# Altium PCB LightLink_V3.PcbDoc (part 3 of 4) (continued)
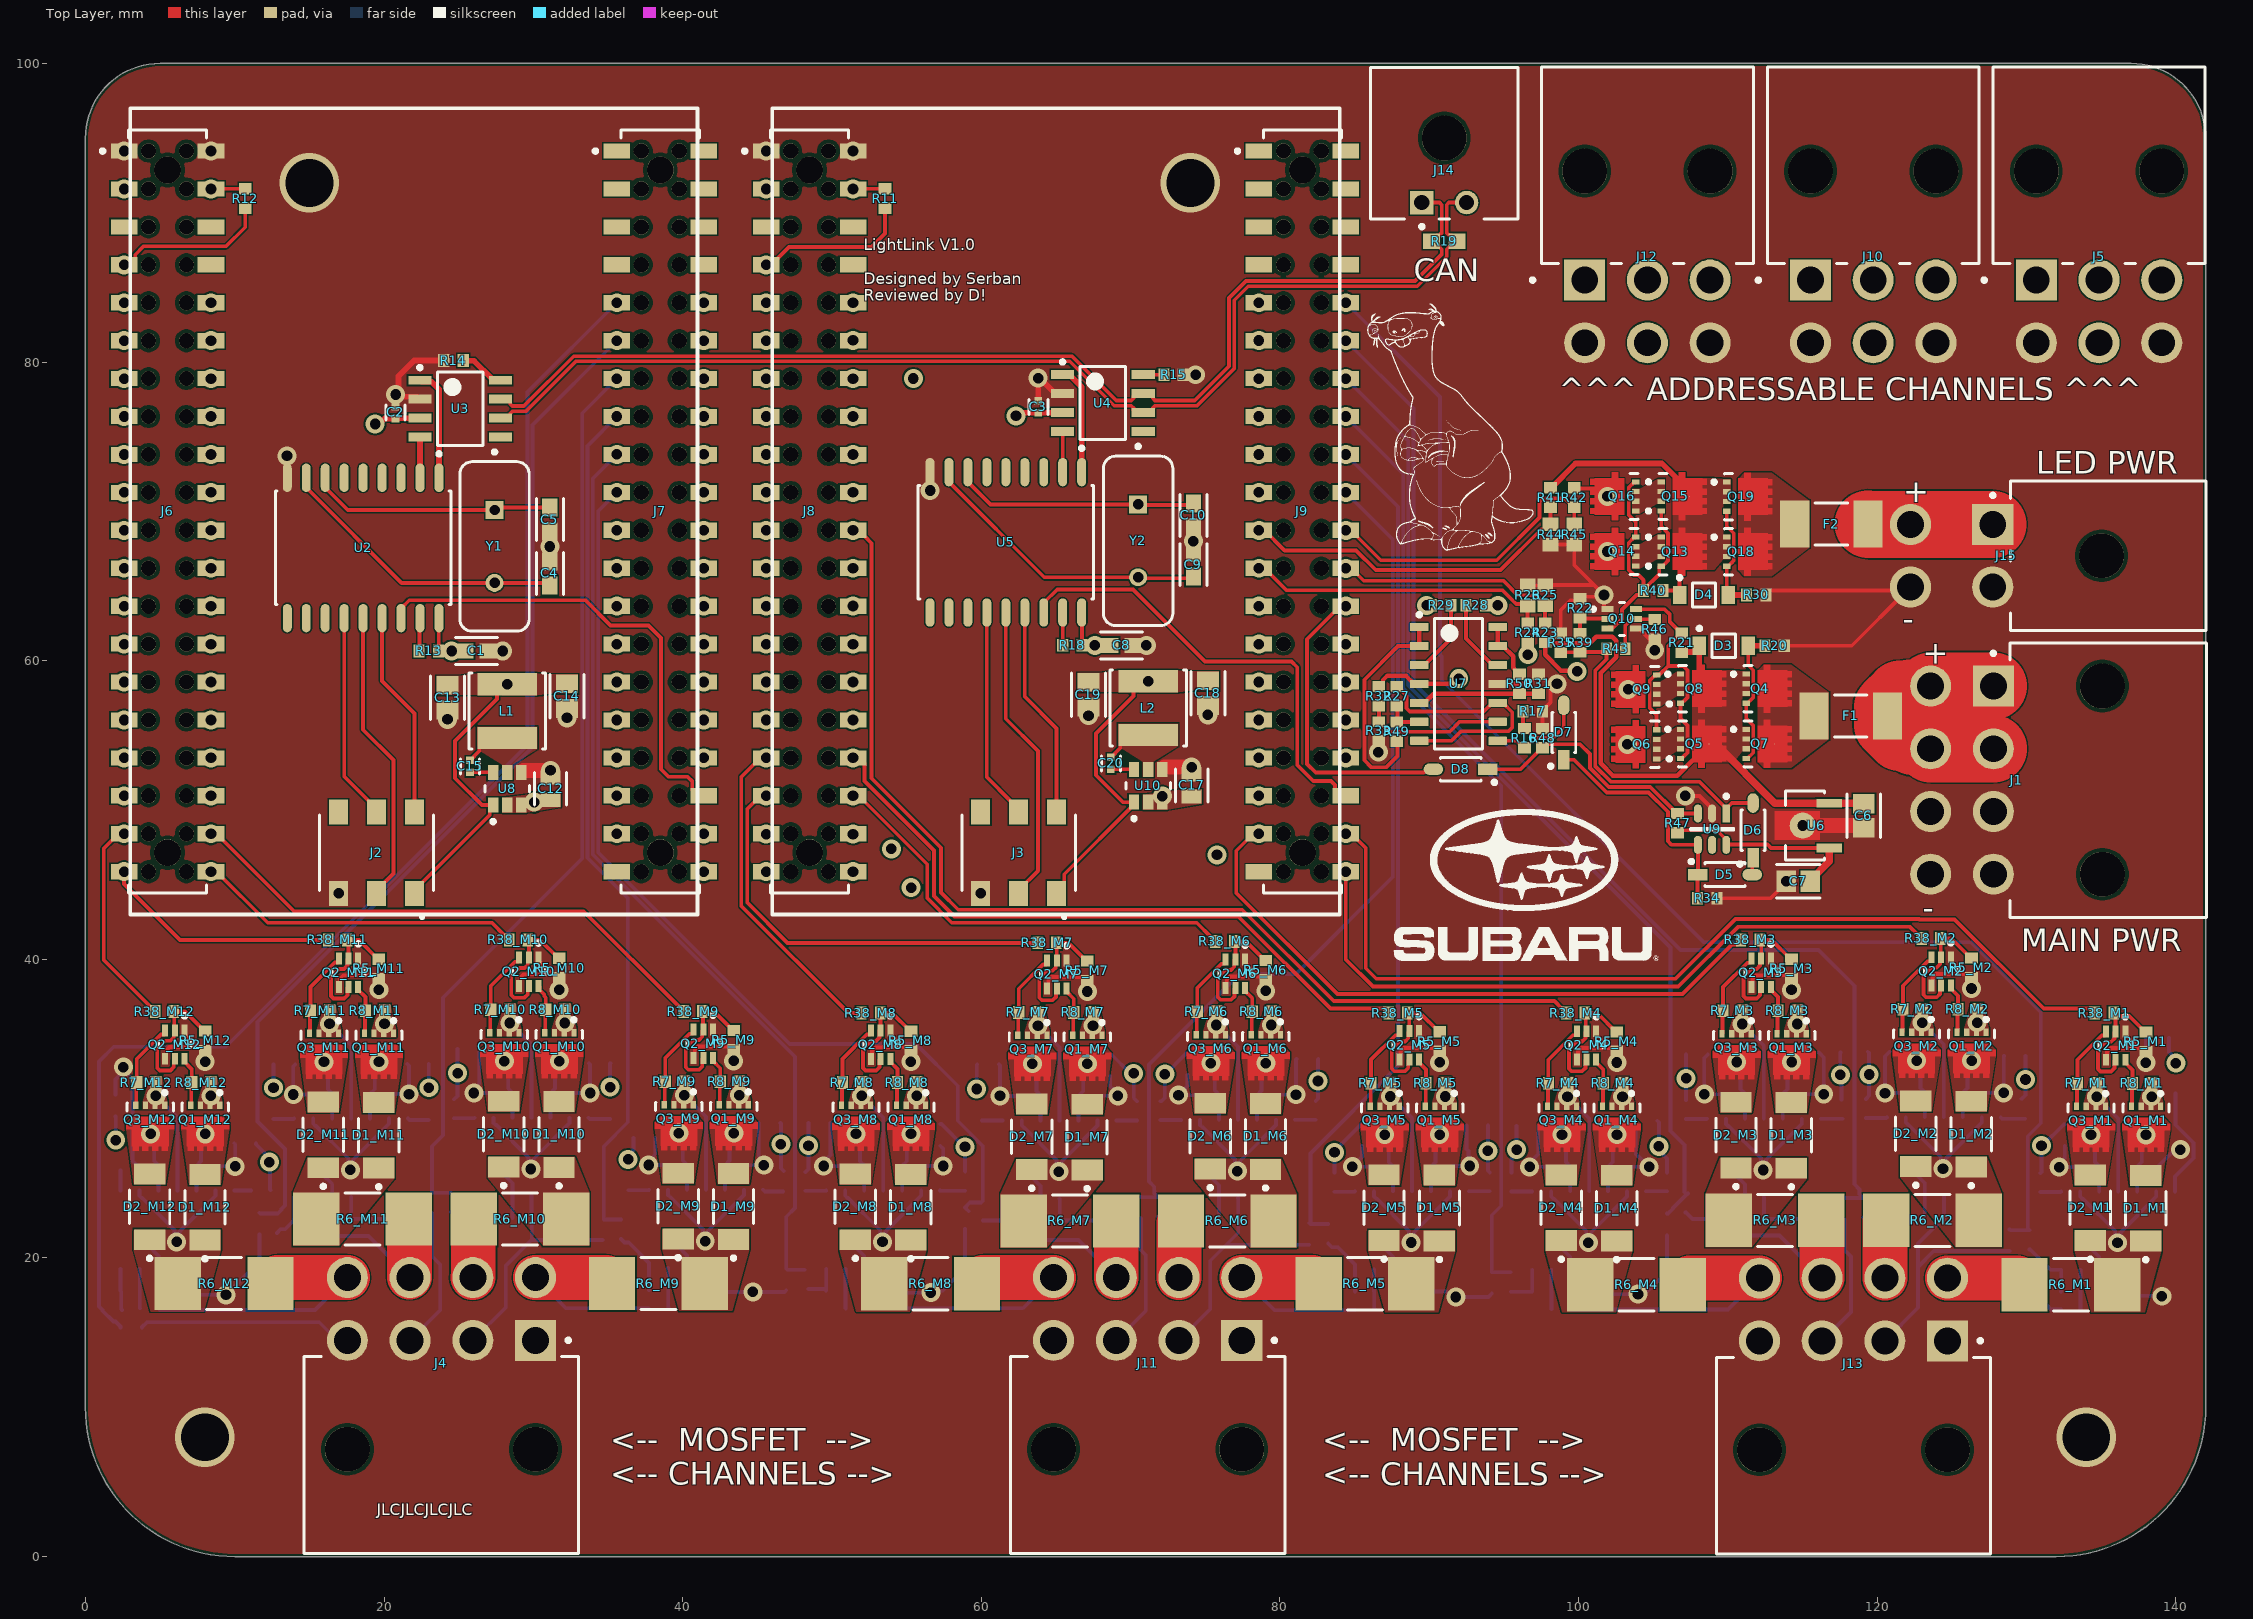
[diagram p0: Top Layer view]
## Nets (pads, with @x,y where several pads share a name; then routed paths per layer and width w, separated by ;. In a path a pad name is that pad's centre, name@x,y a point inside that pad or via, vN(x,y) a via of type N, cw(c..) or ccw(c..) an arc to the next point about the centre after c; other vN are vias at no path point) (continued)
NetQ2_M2_2: Q2_M2.2 Q2_M2.5 R5_M2.2 R38_M2.2 | length 8.9
  Top Layer w0.254: Q2_M2.5@124.278,38.237 124.209,38.168 124.209,37.68 123.986,37.456 123.27,37.456 123.099,37.627 123.099,38.897 123.643,39.441 123.982,39.441 124.205,39.664 124.205,40.064 124.252,40.111 124.252,41.373 R38_M2.2@124.225,41.4 124.956,41.4 126.012,40.344 126.012,40.339 126.26,40.091 R5_M2.2@126.31,40.091
NetQ2_M2_3: Q2_M2.3 Q3_M2.4 R7_M2.1 | length 6
  Top Layer w0.254: Q3_M2.4@121.659,35.119 121.691,35.151 121.691,36.615 R7_M2.1@121.723,36.647 121.723,38.232 123.355,39.864 123.555,39.864 123.628,39.937 Q2_M2.3@123.628,40.137
NetQ2_M3_2: Q2_M3.2 Q2_M3.5 R5_M3.2 R38_M3.2 | length 9
  Top Layer w0.254: Q2_M3.5@112.227,38.149 112.158,38.08 112.158,37.591 111.934,37.368 111.219,37.368 111.048,37.539 111.048,38.809 111.592,39.353 111.931,39.353 112.154,39.576 112.154,39.976 Q2_M3.2@112.227,40.049 112.227,41.198 R38_M3.2@112.125,41.3 112.227,41.3 112.911,41.3 114.209,40.003 R5_M3.2@114.259,40.003
NetQ2_M3_3: Q2_M3.3 Q3_M3.4 R7_M3.1 | length 6
  Top Layer w0.254: Q3_M3.4@109.608,35.031 109.64,35.063 109.64,36.527 R7_M3.1@109.672,36.559 109.672,38.144 111.304,39.776 111.504,39.776 111.577,39.849 Q2_M3.3@111.577,40.049
NetQ2_M4_2: Q2_M4.2 Q2_M4.5 R5_M4.2 R38_M4.2 | length 9
  Top Layer w0.254: Q2_M4.5@100.529,33.284 100.46,33.215 100.46,32.727 100.237,32.503 99.521,32.503 99.35,32.674 99.35,33.944 99.894,34.488 100.233,34.488 100.456,34.711 100.456,35.111 Q2_M4.2@100.529,35.184 100.477,35.237 100.477,36.348 R38_M4.2@100.425,36.4 101.25,36.4 102.511,35.138 R5_M4.2@102.561,35.138
NetQ2_M4_3: Q2_M4.3 Q3_M4.4 R7_M4.1 | length 6
  Top Layer w0.254: Q3_M4.4@97.91,30.166 97.942,30.198 97.942,31.662 R7_M4.1@97.974,31.694 97.974,33.279 99.606,34.911 99.806,34.911 99.879,34.984 Q2_M4.3@99.879,35.184
NetQ2_M5_2: Q2_M5.2 Q2_M5.5 R5_M5.2 R38_M5.2 | length 8.9
  Top Layer w0.254: R38_M5.2@88.525,36.4 89.386,36.4 90.643,35.144 R5_M5.2@90.693,35.144 ; Q2_M5.5@88.661,33.29 88.592,33.221 88.592,32.732 88.368,32.509 87.653,32.509 87.482,32.68 87.482,33.95 88.026,34.494 88.365,34.494 88.588,34.717 88.588,35.117 Q2_M5.2@88.661,35.19 R38_M5.2@88.661,36.364
NetQ2_M5_3: Q2_M5.3 Q3_M5.4 R7_M5.1 | length 6
  Top Layer w0.254: Q3_M5.4@86.042,30.172 86.074,30.204 86.074,31.668 R7_M5.1@86.106,31.7 86.106,33.285 87.738,34.917 87.938,34.917 88.011,34.99 Q2_M5.3@88.011,35.19
NetQ2_M6_2: Q2_M6.2 Q2_M6.5 R5_M6.2 R38_M6.2 | length 8.9
  Top Layer w0.254: Q2_M6.2@76.942,39.977 76.942,39.504 76.719,39.281 76.38,39.281 75.836,38.737 75.836,37.467 76.007,37.296 76.723,37.296 76.946,37.519 76.946,38.008 Q2_M6.5@77.015,38.077 ; Q2_M6.2@77.015,39.977 77.015,41.11 R38_M6.2@76.925,41.2 77.015,41.2 77.729,41.2 78.997,39.931 R5_M6.2@79.047,39.931
NetQ2_M6_3: Q2_M6.3 Q3_M6.4 R7_M6.1 | length 6
  Top Layer w0.254: Q3_M6.4@74.396,34.959 74.428,34.991 74.428,36.455 R7_M6.1@74.46,36.487 74.46,38.072 76.092,39.704 76.292,39.704 76.365,39.777 Q2_M6.3@76.365,39.977
NetQ2_M7_2: Q2_M7.2 Q2_M7.5 R5_M7.2 R38_M7.2 | length 8.9
  Top Layer w0.254: R38_M7.2@65.025,41.1 65.834,41.1 67.046,39.888 R5_M7.2@67.096,39.888 ; R38_M7.2@65.045,41.18 65.045,39.954 Q2_M7.2@65.064,39.934 64.991,39.861 64.991,39.461 64.768,39.238 64.429,39.238 63.885,38.694 63.885,37.424 64.056,37.253 64.772,37.253 64.995,37.477 64.995,37.965 Q2_M7.5@65.064,38.034
NetQ2_M7_3: Q2_M7.3 Q3_M7.4 R7_M7.1 | length 6
  Top Layer w0.254: Q3_M7.4@62.445,34.916 62.477,34.948 62.477,36.412 R7_M7.1@62.509,36.444 62.509,38.029 64.141,39.661 64.341,39.661 64.414,39.734 Q2_M7.3@64.414,39.934
NetQ2_M8_2: Q2_M8.2 Q2_M8.5 R5_M8.2 R38_M8.2 | length 8.8
  Top Layer w0.254: Q2_M8.2@53.18,35.235 53.18,34.762 52.957,34.539 52.618,34.539 52.074,33.995 52.074,32.725 52.245,32.554 52.961,32.554 53.184,32.778 53.184,33.266 Q2_M8.5@53.253,33.335 ; Q2_M8.2@53.253,35.235 53.253,36.372 R38_M8.2@53.225,36.4 54.024,36.4 55.235,35.189 R5_M8.2@55.285,35.189
NetQ2_M8_3: Q2_M8.3 Q3_M8.4 R7_M8.1 | length 6
  Top Layer w0.254: Q3_M8.4@50.634,30.217 50.666,30.249 50.666,31.713 R7_M8.1@50.698,31.745 50.698,33.33 52.33,34.962 52.53,34.962 52.603,35.035 Q2_M8.3@52.603,35.235
NetQ2_M9_2: Q2_M9.2 Q2_M9.5 R5_M9.2 R38_M9.2 | length 8.9
  Top Layer w0.254: Q2_M9.5@41.383,33.388 41.314,33.319 41.314,32.83 41.091,32.607 40.376,32.607 40.205,32.778 40.205,34.048 40.748,34.592 41.087,34.592 41.31,34.815 41.31,35.215 Q2_M9.2@41.383,35.288 41.354,35.317 41.354,36.471 R38_M9.2@41.325,36.5 42.108,36.5 43.365,35.242 R5_M9.2@43.415,35.242
NetQ2_M9_3: Q2_M9.3 Q3_M9.4 R7_M9.1 | length 6
  Top Layer w0.254: Q3_M9.4@38.764,30.27 38.796,30.302 38.796,31.766 R7_M9.1@38.828,31.798 38.828,33.383 40.46,35.015 40.66,35.015 40.733,35.088 Q2_M9.3@40.733,35.288
NetQ2_M10_2: Q2_M10.2 Q2_M10.5 R5_M10.2 R38_M10.2 | length 8.9
  Top Layer w0.254: Q2_M10.5@29.699,38.214 29.63,38.145 29.63,37.656 29.407,37.433 28.692,37.433 28.521,37.604 28.521,38.874 29.064,39.418 29.403,39.418 29.626,39.641 29.626,40.041 Q2_M10.2@29.699,40.114 29.699,41.226 R38_M10.2@29.625,41.3 30.45,41.3 31.681,40.068 R5_M10.2@31.731,40.068
NetQ2_M10_3: Q2_M10.3 Q3_M10.4 R7_M10.1 | length 6
  Top Layer w0.254: Q3_M10.4@27.08,35.096 27.112,35.128 27.112,36.592 R7_M10.1@27.144,36.624 27.144,38.209 28.776,39.841 28.976,39.841 29.049,39.914 Q2_M10.3@29.049,40.114
NetQ2_M11_2: Q2_M11.2 Q2_M11.5 R5_M11.2 R38_M11.2 | length 9
  Top Layer w0.254: Q2_M11.5@17.621,38.156 17.552,38.087 17.552,37.598 17.329,37.375 16.613,37.375 16.442,37.546 16.442,38.816 16.986,39.36 17.325,39.36 17.548,39.583 17.548,39.983 Q2_M11.2@17.621,40.056 17.621,41.204 R38_M11.2@17.525,41.3 17.621,41.3 18.313,41.3 19.603,40.01 R5_M11.2@19.653,40.01
NetQ2_M11_3: Q2_M11.3 Q3_M11.4 R7_M11.1 | length 6
  Top Layer w0.254: Q3_M11.4@15.002,35.038 15.034,35.07 15.034,36.534 R7_M11.1@15.066,36.566 15.066,38.151 16.698,39.783 16.898,39.783 16.971,39.856 Q2_M11.3@16.971,40.056
NetQ2_M12_2: Q2_M12.2 Q2_M12.5 R5_M12.2 R38_M12.2 | length 9
  Top Layer w0.254: Q2_M12.5@5.988,33.34 5.919,33.271 5.919,32.782 5.696,32.559 4.98,32.559 4.809,32.73 4.809,34 5.353,34.544 5.692,34.544 5.915,34.767 5.915,35.167 5.957,35.209 5.957,36.468 R38_M12.2@5.925,36.5 6.664,36.5 7.97,35.194 R5_M12.2@8.02,35.194
NetQ2_M12_3: Q2_M12.3 Q3_M12.4 R7_M12.1 | length 6
  Top Layer w0.254: Q3_M12.4@3.369,30.222 3.401,30.254 3.401,31.718 R7_M12.1@3.433,31.75 3.433,33.335 5.065,34.967 5.265,34.967 5.338,35.04 Q2_M12.3@5.338,35.24
NetQ5_1: Q5.1 Q5.2 Q5.3 Q6.1 Q6.2 Q6.3
NetQ8_1: Q8.1 Q8.2 Q8.3 Q9.1 Q9.2 Q9.3
NetQ10_2: Q10.2 R22.1 R39.2 | length 2.9
  Top Layer w0.254: R39.2@100.1,61.825 R22.1@100.1,62.85 100.125,62.825 101.925,62.825 Q10.2@101.95,62.8
NetQ10_5: Q10.5 R43.2 R46.1 | length 3.7
  Top Layer w0.254: R43.2@103.125,60.8 103.125,62.348 103.504,62.727 103.777,62.727 Q10.5@103.85,62.8 103.875,62.775 105.075,62.775 R46.1@105.1,62.75
NetQ13_1: Q13.1 Q13.2 Q13.3 Q14.1 Q14.2 Q14.3
NetQ15_1: Q15.1 Q15.2 Q15.3 Q16.1 Q16.2 Q16.3
NetR1_M1_1: R1_M1.1 R2_M1.1 U1_M1.13 | length 2.7
  Bottom Layer w0.254: U1_M1.13@133.6,19.205 133.608,19.198 133.608,17.749 R1_M1.1@133.615,17.741 133.615,16.573 R2_M1.1@133.625,16.562
NetR1_M1_2: R1_M1.2 R53_M1.2 U1_M1.14 | length 4.2
  Bottom Layer w0.254: R53_M1.2@130.2,20.559 130.25,20.559 131.604,19.205 U1_M1.14@132.33,19.205 132.322,19.198 132.322,17.748 R1_M1.2@132.315,17.741
NetR1_M2_1: R1_M2.1 R2_M2.1 U1_M2.13 | length 2.7
  Bottom Layer w0.254: U1_M2.13@121.916,24.167 121.924,24.16 121.924,22.71 R1_M2.1@121.931,22.703 121.931,21.534 R2_M2.1@121.941,21.524
NetR1_M2_2: R1_M2.2 R53_M2.2 U1_M2.14 | length 3
  Bottom Layer w0.254: R53_M2.2@119.075,22.718 120.616,22.718 R1_M2.2@120.631,22.703 120.638,22.71 120.638,24.16 U1_M2.14@120.646,24.167
NetR1_M3_1: R1_M3.1 R2_M3.1 U1_M3.13 | length 2.7
  Bottom Layer w0.254: U1_M3.13@109.864,24.078 109.872,24.071 109.872,22.621 R1_M3.1@109.879,22.614 109.879,21.446 R2_M3.1@109.89,21.435
NetR1_M3_2: R1_M3.2 R53_M3.2 U1_M3.14 | length 3.1
  Bottom Layer w0.254: R53_M3.2@107.137,23.048 107.187,23.048 107.621,22.614 R1_M3.2@108.579,22.614 108.587,22.621 108.587,24.071 U1_M3.14@108.594,24.078
NetR1_M4_1: R1_M4.1 R2_M4.1 U1_M4.13 | length 2.7
  Bottom Layer w0.254: U1_M4.13@98.167,19.214 98.175,19.207 98.175,17.757 R1_M4.1@98.182,17.75 98.182,16.581 R2_M4.1@98.192,16.571
NetR1_M4_2: R1_M4.2 R53_M4.2 U1_M4.14 | length 2.9
  Bottom Layer w0.254: R53_M4.2@95.453,17.74 96.872,17.74 R1_M4.2@96.882,17.75 96.889,17.757 96.889,19.207 U1_M4.14@96.897,19.214
NetR1_M5_1: R1_M5.1 R2_M5.1 U1_M5.13 | length 2.7
  Bottom Layer w0.254: U1_M5.13@86.298,19.22 86.306,19.212 86.306,17.763 R1_M5.1@86.313,17.755 86.313,16.587 R2_M5.1@86.324,16.577
NetR1_M5_2: R1_M5.2 R53_M5.2 U1_M5.14 | length 4.2
  Bottom Layer w0.254: R53_M5.2@83.236,20.965 83.484,20.717 83.881,20.717 85.028,19.57 U1_M5.14@85.028,19.22 85.021,19.212 85.021,17.763 R1_M5.2@85.013,17.755
NetR1_M6_1: R1_M6.1 R2_M6.1 U1_M6.13 | length 2.7
  Bottom Layer w0.254: U1_M6.13@74.653,24.007 74.661,24 74.661,22.55 R1_M6.1@74.668,22.543 74.668,21.374 R2_M6.1@74.678,21.364
NetR1_M6_2: R1_M6.2 R53_M6.2 U1_M6.14 | length 3.1
  Bottom Layer w0.3: R53_M6.2@71.857,22.769 71.907,22.769 72.133,22.543 R1_M6.2@73.368,22.543 73.376,22.55 73.376,24 U1_M6.14@73.383,24.007
NetR1_M7_1: R1_M7.1 R2_M7.1 U1_M7.13 | length 2.7
  Bottom Layer w0.254: U1_M7.13@62.702,23.964 62.709,23.957 62.709,22.507 R1_M7.1@62.717,22.5 62.717,21.331 R2_M7.1@62.727,21.321
NetR1_M7_2: R1_M7.2 R53_M7.2 U1_M7.14 | length 2.8
  Bottom Layer w0.254: R53_M7.2@60.096,22.515 61.402,22.515 R1_M7.2@61.417,22.5 61.424,22.507 61.424,23.957 U1_M7.14@61.432,23.964
NetR1_M8_1: R1_M8.1 R2_M8.1 U1_M8.13 | length 2.7
  Bottom Layer w0.254: U1_M8.13@50.891,19.265 50.898,19.258 50.898,17.808 R1_M8.1@50.906,17.801 50.906,16.632 R2_M8.1@50.916,16.622
NetR1_M8_2: R1_M8.2 R53_M8.2 U1_M8.14 | length 2.7
  Bottom Layer w0.254: R53_M8.2@48.412,17.917 49.489,17.917 R1_M8.2@49.606,17.801 49.613,17.808 49.613,19.258 U1_M8.14@49.621,19.265
NetR1_M9_1: R1_M9.1 R2_M9.1 U1_M9.13 | length 2.7
  Bottom Layer w0.254: U1_M9.13@39.021,19.318 39.029,19.31 39.029,17.861 R1_M9.1@39.036,17.854 39.036,16.685 R2_M9.1@39.047,16.675
NetR1_M9_2: R1_M9.2 R53_M9.2 U1_M9.14 | length 4.4
  Bottom Layer w0.254: R53_M9.2@35.865,21.275 36.113,21.027 36.393,21.027 37.751,19.668 U1_M9.14@37.751,19.318 37.744,19.311 37.744,17.861 R1_M9.2@37.736,17.854
NetR1_M10_1: R1_M10.1 R2_M10.1 U1_M10.13 | length 2.7
  Bottom Layer w0.254: U1_M10.13@27.337,24.144 27.345,24.136 27.345,22.687 R1_M10.1@27.352,22.68 27.352,21.511 R2_M10.1@27.363,21.501
NetR1_M10_2: R1_M10.2 R53_M10.2 U1_M10.14 | length 3.2
  Bottom Layer w0.254: R53_M10.2@24.486,23.074 24.536,23.074 24.93,22.68 R1_M10.2@26.052,22.68 26.06,22.687 26.06,24.137 U1_M10.14@26.067,24.144
NetR1_M11_1: R1_M11.1 R2_M11.1 U1_M11.13 | length 2.7
  Bottom Layer w0.254: U1_M11.13@15.259,24.086 15.266,24.078 15.266,22.629 R1_M11.1@15.274,22.621 15.274,21.453 R2_M11.1@15.284,21.443
NetR1_M11_2: R1_M11.2 R53_M11.2 U1_M11.14 | length 3.1
  Bottom Layer w0.254: R53_M11.2@12.827,21.677 13.075,21.925 13.377,21.925 13.974,22.521 R1_M11.2@13.974,22.621 13.982,22.629 13.982,24.078 U1_M11.14@13.989,24.086
NetR1_M12_1: R1_M12.1 R2_M12.1 U1_M12.13 | length 2.7
  Bottom Layer w0.254: U1_M12.13@3.626,19.27 3.633,19.262 3.633,17.813 R1_M12.1@3.641,17.805 3.641,16.637 R2_M12.1@3.651,16.627
NetR1_M12_2: R1_M12.2 R53_M12.2 U1_M12.14 | length 2.8
  Bottom Layer w0.254: U1_M12.14@2.356,19.27 2.348,19.262 2.348,17.813 R1_M12.2@2.341,17.805 2.397,17.749 2.397,16.566 R53_M12.2@2.453,16.51
NetR3_M1_1: R3_M1.1 R4_M1.2 U1_M1.12 | length 3.7
  Bottom Layer w0.254: R3_M1.1@133.915,21.018 133.915,20.968 134.163,20.72 134.213,20.72 134.87,20.063 U1_M1.12@134.87,19.205 134.862,19.198 134.862,17.748 R4_M1.2@134.855,17.741
NetR3_M2_1: R3_M2.1 R4_M2.2 U1_M2.12 | length 3.7
  Bottom Layer w0.254: R3_M2.1@122.231,25.979 122.231,25.929 122.479,25.681 122.529,25.681 123.186,25.025 U1_M2.12@123.186,24.167 123.178,24.16 123.178,22.71 R4_M2.2@123.171,22.703
NetR3_M3_1: R3_M3.1 R4_M3.2 U1_M3.12 | length 3.7
  Bottom Layer w0.254: R3_M3.1@110.18,25.891 110.18,25.841 110.428,25.593 110.478,25.593 111.134,24.936 U1_M3.12@111.134,24.078 111.127,24.071 111.127,22.621 R4_M3.2@111.119,22.614
NetR3_M4_1: R3_M4.1 R4_M4.2 U1_M4.12 | length 3.7
  Bottom Layer w0.254: R3_M4.1@98.482,21.026 98.482,20.976 98.73,20.728 98.78,20.728 99.437,20.072 U1_M4.12@99.437,19.214 99.429,19.207 99.429,17.757 R4_M4.2@99.422,17.75
NetR3_M5_1: R3_M5.1 R4_M5.2 U1_M5.12 | length 3.7
  Bottom Layer w0.254: R3_M5.1@86.614,21.032 86.614,20.982 86.862,20.734 86.912,20.734 87.568,20.077 U1_M5.12@87.568,19.22 87.561,19.212 87.561,17.763 R4_M5.2@87.553,17.755
NetR3_M6_1: R3_M6.1 R4_M6.2 U1_M6.12 | length 3.7
  Bottom Layer w0.254: R3_M6.1@74.968,25.819 74.968,25.769 75.216,25.521 75.266,25.521 75.923,24.864 U1_M6.12@75.923,24.007 75.916,24 75.916,22.55 R4_M6.2@75.908,22.543
NetR3_M7_1: R3_M7.1 R4_M7.2 U1_M7.12 | length 3.7
  Bottom Layer w0.254: R3_M7.1@63.017,25.776 63.017,25.726 63.265,25.478 63.315,25.478 63.972,24.822 U1_M7.12@63.972,23.964 63.964,23.957 63.964,22.507 R4_M7.2@63.957,22.5
NetR3_M8_1: R3_M8.1 R4_M8.2 U1_M8.12 | length 3.7
  Bottom Layer w0.254: R3_M8.1@51.206,21.077 51.206,21.027 51.454,20.779 51.504,20.779 52.161,20.123 U1_M8.12@52.161,19.265 52.153,19.258 52.153,17.808 R4_M8.2@52.146,17.801
NetR3_M9_1: R3_M9.1 R4_M9.2 U1_M9.12 | length 3.7
  Bottom Layer w0.254: R3_M9.1@39.336,21.13 39.336,21.08 39.584,20.832 39.634,20.832 40.291,20.175 U1_M9.12@40.291,19.318 40.284,19.31 40.284,17.861 R4_M9.2@40.276,17.854
NetR3_M10_1: R3_M10.1 R4_M10.2 U1_M10.12 | length 3.7
  Bottom Layer w0.254: R3_M10.1@27.652,25.956 27.652,25.906 27.9,25.658 27.95,25.658 28.607,25.001 U1_M10.12@28.607,24.144 28.6,24.136 28.6,22.687 R4_M10.2@28.592,22.68
NetR3_M11_1: R3_M11.1 R4_M11.2 U1_M11.12 | length 3.7
  Bottom Layer w0.254: R3_M11.1@15.574,25.898 15.574,25.848 15.822,25.6 15.872,25.6 16.529,24.943 U1_M11.12@16.529,24.086 16.521,24.078 16.521,22.629 R4_M11.2@16.514,22.621
NetR3_M12_1: R3_M12.1 R4_M12.2 U1_M12.12 | length 3.7
  Bottom Layer w0.254: R3_M12.1@3.941,21.082 3.941,21.032 4.189,20.784 4.239,20.784 4.896,20.127 U1_M12.12@4.896,19.27 4.888,19.262 4.888,17.813 R4_M12.2@4.881,17.805
NetR9_M1_2: R9_M1.2 U1_M1.1 | length 1.4
  Bottom Layer w0.254: R9_M1.2@130.933,24.416 132.291,24.416 U1_M1.1@132.33,24.455
NetR9_M2_2: R9_M2.2 U1_M2.1 | length 1.4
  Bottom Layer w0.254: R9_M2.2@119.249,29.378 120.607,29.378 U1_M2.1@120.646,29.417
NetR9_M3_2: R9_M3.2 U1_M3.1 | length 1.4
  Bottom Layer w0.254: R9_M3.2@107.197,29.314 108.58,29.314 U1_M3.1@108.594,29.328
NetR9_M4_2: R9_M4.2 U1_M4.1 | length 1.4
  Bottom Layer w0.254: R9_M4.2@95.5,24.45 96.883,24.45 U1_M4.1@96.897,24.464
NetR9_M5_2: R9_M5.2 U1_M5.1 | length 1.4
  Bottom Layer w0.254: R9_M5.2@83.631,24.431 84.989,24.431 U1_M5.1@85.028,24.47
NetR9_M6_2: R9_M6.2 U1_M6.1 | length 1.4
  Bottom Layer w0.254: R9_M6.2@71.986,29.243 73.369,29.243 U1_M6.1@73.383,29.257
NetR9_M7_2: R9_M7.2 U1_M7.1 | length 1.4
  Bottom Layer w0.254: R9_M7.2@60.035,29.2 61.418,29.2 U1_M7.1@61.432,29.214
NetR9_M8_2: R9_M8.2 U1_M8.1 | length 1.4
  Bottom Layer w0.254: R9_M8.2@48.224,24.501 49.607,24.501 U1_M8.1@49.621,24.515
NetR9_M9_2: R9_M9.2 U1_M9.1 | length 1.4
  Bottom Layer w0.254: R9_M9.2@36.354,24.529 37.712,24.529 U1_M9.1@37.751,24.568
NetR9_M10_2: R9_M10.2 U1_M10.1 | length 1.4
  Bottom Layer w0.254: R9_M10.2@24.67,29.355 26.028,29.355 U1_M10.1@26.067,29.394
NetR9_M11_2: R9_M11.2 U1_M11.1 | length 1.4
  Bottom Layer w0.254: R9_M11.2@12.592,29.297 13.95,29.297 U1_M11.1@13.989,29.336
NetR9_M12_2: R9_M12.2 U1_M12.1 | length 1.3
  Bottom Layer w0.254: R9_M12.2@2.35,25.85 2.356,25.844 U1_M12.1@2.356,24.52
NetR13_2: R13.2 U2.17 | length 2.2
  Top Layer w0.254: R13.2@22.35,60.65 22.38,60.68 22.38,62.82 U2.17@22.41,62.85
NetR14_2: R14.2 U3.8 | length 3
  Top Layer w0.381: R14.2@25.3,80.1 25.323,80.077 26.023,80.077 27.211,78.889 27.691,78.889 U3.8@27.8,78.78
NetR15_2: R15.2 U4.8 | length 1.4
  Top Layer w0.254: U4.8@70.84,79.155 72.22,79.155 R15.2@72.225,79.15
NetR16_2: R16.2 U7.8 | length 2
  Top Layer w0.254: U7.8@94.58,54.635 95.849,54.635 96.322,54.163 R16.2@96.372,54.163
NetR18_2: R18.2 U5.17 | length 2.1
  Top Layer w0.254: R18.2@65.45,61.125 U5.17@65.45,63.225
NetR27_1: R27.1 R49.2 U7.6 | length 2.5
  Top Layer w0.254: R27.1@87.87,56.961 87.87,55.899 87.873,55.902 89.326,55.902 U7.6@89.33,55.905
NetR28_2: R28.2 U7.12 | length 5.1
  Top Layer w0.254: R28.2@92.462,63.703 92.462,61.483 94.23,59.715 U7.12@94.58,59.715
NetR29_2: R29.2 U7.3 | length 5.1
  Top Layer w0.254: U7.3@89.33,59.715 89.68,59.715 91.451,61.486 R29.2@91.451,63.703
NetR31_1: R31.1 R50.2 U7.5 | length 8.2
  Top Layer w0.3: U7.5@89.33,57.175 89.68,57.175 90.299,57.795 R50.2@96.042,57.795 R31.1@97.312,57.795
NetR32_1: R32.1 R33.2 U7.9 | length 9.6
  Top Layer w0.254: R32.1@86.625,56.961 R33.2@86.625,55.925 86.7,55.925 86.923,55.702 86.923,55.627 87.305,55.245 91.368,55.245 92.029,55.905 U7.9@94.58,55.905
NetR51_M1_2: R51_M1.2 U1_M1.7 | length 7.6
  Bottom Layer w0.254: U1_M1.7@139.95,24.455 139.95,25.45 141.189,26.689 141.189,27.711 139.975,28.925 R51_M1.2@139.975,31.025
NetR51_M2_2: R51_M2.2 U1_M2.7 | length 1.7
  Bottom Layer w0.254: U1_M2.7@128.266,29.417 128.361,29.322 R51_M2.2@129.896,29.322
NetR51_M3_2: R51_M3.2 U1_M3.7 | length 1.5
  Bottom Layer w0.254: U1_M3.7@116.214,29.328 116.221,29.322 R51_M3.2@117.678,29.322
NetR51_M4_2: R51_M4.2 U1_M4.7 | length 1.4
  Bottom Layer w0.254: U1_M4.7@104.517,24.464 U1_M4.7@104.517,24.464 R51_M4.2@105.914,24.465
NetR51_M5_2: R51_M5.2 U1_M5.7 | length 1.4
  Bottom Layer w0.254: U1_M5.7@92.648,24.47 92.65,24.471 R51_M5.2@94.045,24.471
NetR51_M6_2: R51_M6.2 U1_M6.7 | length 1.4
  Bottom Layer w0.254: U1_M6.7@81.003,29.257 U1_M6.7@81.003,29.257 R51_M6.2@82.4,29.258
NetR51_M7_2: R51_M7.2 U1_M7.7 | length 1.4
  Bottom Layer w0.254: U1_M7.7@69.052,29.214 69.053,29.215 R51_M7.2@70.449,29.215
NetR51_M8_2: R51_M8.2 U1_M8.7 | length 1.7
  Bottom Layer w0.254: U1_M8.7@57.241,24.515 57.26,24.496 R51_M8.2@58.928,24.496
NetR51_M9_2: R51_M9.2 U1_M9.7 | length 1.4
  Bottom Layer w0.254: U1_M9.7@45.371,24.568 45.494,24.445 R51_M9.2@46.736,24.445
NetR51_M10_2: R51_M10.2 U1_M10.7 | length 1.5
  Bottom Layer w0.254: U1_M10.7@33.687,29.394 33.785,29.297 R51_M10.2@35.154,29.297
NetR51_M11_2: R51_M11.2 U1_M11.7 | length 1.4
  Bottom Layer w0.254: U1_M11.7@21.609,29.336 21.699,29.246 R51_M11.2@22.987,29.246
NetR51_M12_2: R51_M12.2 U1_M12.7 | length 1.1
  Bottom Layer w0.254: U1_M12.7@9.976,24.52 11.094,24.52 R51_M12.2@11.11,24.536
OUT_1: J4.8 R2_M12.2 R6_M12.2 | length 18.7
  Top Layer w3: R6_M12.2@12.465,18.288 12.862,18.685 J4.8@17.545,18.685
  Bottom Layer w0.254: R2_M12.2@4.987,16.51 15.37,16.51 J4.8@17.545,18.685
OUT_2: J4.7 R2_M11.2 R6_M11.2 | length 10.3
  Top Layer w2.54: R6_M11.2@21.661,22.606 R6_M11.2@21.705,22.562 ; J4.7@21.705,18.725 J4.7@21.745,18.685
  Top Layer w3: J4.7@21.705,18.725 R6_M11.2@21.705,22.562
  Bottom Layer w0.254: R2_M11.2@16.544,21.463 18.967,21.463 J4.7@21.745,18.685
OUT_3: J4.6 R2_M10.2 R6_M10.2 | length 6.6
  Top Layer w3: J4.6@25.945,18.685 25.974,18.714 25.974,22.578 R6_M10.2@26.002,22.606
  Bottom Layer w0.254: J4.6@25.945,18.685 25.992,18.732 25.992,21.289 R2_M10.2@26.039,21.336
OUT_4: J4.5 R2_M9.2 R6_M9.2 | length 13.7
  Top Layer w3: J4.5@30.145,18.685 34.876,18.685 R6_M9.2@35.273,18.288
  Bottom Layer w0.254: J4.5@30.145,18.685 32.193,16.637 R2_M9.2@37.723,16.637
OUT_5: J11.8 R2_M8.2 R6_M8.2 | length 18.8
  Top Layer w3: R6_M8.2@59.706,18.278 60.113,18.685 J11.8@64.839,18.685
  Bottom Layer w0.254: R2_M8.2@52.176,16.627 62.781,16.627 J11.8@64.839,18.685
OUT_6: J11.7 R2_M7.2 R6_M7.2 | length 9.8
  Top Layer w3: R6_M7.2@69.032,22.479 69.039,22.472 J11.7@69.039,18.685
  Bottom Layer w0.254: R2_M7.2@64.042,21.209 66.515,21.209 J11.7@69.039,18.685
OUT_7: J11.6 R2_M6.2 R6_M6.2 | length 6.5
  Top Layer w3: J11.6@73.239,18.685 73.239,22.345 R6_M6.2@73.373,22.479
  Bottom Layer w0.254: J11.6@73.239,18.685 73.261,18.707 73.261,21.314 R2_M6.2@73.283,21.336
OUT_8: J11.5 R2_M5.2 R6_M5.2 | length 13.8
  Top Layer w3: J11.5@77.439,18.685 82.182,18.685 R6_M5.2@82.589,18.278
  Bottom Layer w0.254: J11.5@77.439,18.685 79.624,16.5 R2_M5.2@85.039,16.5
OUT_9: J13.8 R2_M4.2 R6_M4.2 | length 18.8
  Top Layer w3: R6_M4.2@106.982,18.198 107.433,18.649 J13.8@112.11,18.649
  Bottom Layer w0.254: R2_M4.2@99.452,16.547 110.008,16.547 J13.8@112.11,18.649
OUT_10: J13.7 R2_M3.2 R6_M3.2 | length 10.2
  Top Layer w3: R6_M3.2@116.253,22.516 116.31,22.459 J13.7@116.31,18.649
  Bottom Layer w0.254: R2_M3.2@111.136,21.5 113.459,21.5 J13.7@116.31,18.649
OUT_11: J13.6 R2_M2.2 R6_M2.2 | length 6.9
  Top Layer w3: J13.6@120.51,18.649 120.51,22.432 R6_M2.2@120.594,22.516
  Bottom Layer w0.254: J13.6@120.51,18.649 120.571,18.71 120.571,21.567 R2_M2.2@120.631,21.627
OUT_12: J13.5 R2_M1.2 R6_M1.2 | length 13.8
  Top Layer w3: J13.5@124.71,18.649 129.414,18.649 R6_M1.2@129.865,18.198
  Bottom Layer w0.254: J13.5@124.71,18.649 129.526,18.649 131.628,16.547 R2_M1.2@132.315,16.547
POST_SENSE_M1: D1_M1.1 D2_M1.1 R3_M1.2 R6_M1.1 U1_M1.2 U1_M1.6 | length 9
  Bottom Layer w0.254: U1_M1.2@133.6,24.455 133.6,24.105 133.748,23.957 133.784,23.957 135.942,21.8 135.942,21.165 v1(136.089,21.018) 136.284,21.212 136.284,21.709 138.68,24.105 U1_M1.6@138.68,24.455
POST_SENSE_M2: D1_M2.1 D2_M2.1 R3_M2.2 R6_M2.1 U1_M2.2 U1_M2.6 | length 9
  Bottom Layer w0.254: U1_M2.2@121.916,29.417 121.916,29.067 122.064,28.919 122.1,28.919 124.258,26.761 124.258,26.126 v1(124.405,25.979) 124.6,26.174 124.6,26.671 126.996,29.067 U1_M2.6@126.996,29.417
POST_SENSE_M3: D1_M3.1 D2_M3.1 R3_M3.2 R6_M3.1 U1_M3.2 U1_M3.6 | length 9
  Bottom Layer w0.254: U1_M3.2@109.864,29.328 109.864,28.978 110.012,28.83 110.049,28.83 112.207,26.673 112.207,26.038 v1(112.354,25.891) 112.548,26.085 112.548,26.582 114.944,28.978 U1_M3.6@114.944,29.328
POST_SENSE_M4: D1_M4.1 D2_M4.1 R3_M4.2 R6_M4.1 U1_M4.2 U1_M4.6 | length 9
  Bottom Layer w0.254: U1_M4.2@98.167,24.464 98.167,24.114 98.315,23.966 98.351,23.966 100.509,21.808 100.509,21.173 v1(100.656,21.026) 100.851,21.221 100.851,21.718 103.247,24.114 U1_M4.6@103.247,24.464
POST_SENSE_M5: D1_M5.1 D2_M5.1 R3_M5.2 R6_M5.1 U1_M5.2 U1_M5.6 | length 9
  Bottom Layer w0.254: U1_M5.2@86.298,24.47 86.298,24.12 86.446,23.972 86.483,23.972 88.641,21.814 88.641,21.179 v1(88.788,21.032) 88.982,21.226 88.982,21.723 91.378,24.12 U1_M5.6@91.378,24.47
POST_SENSE_M6: D1_M6.1 D2_M6.1 R3_M6.2 R6_M6.1 U1_M6.2 U1_M6.6 | length 9
  Bottom Layer w0.254: U1_M6.2@74.653,29.257 74.653,28.907 74.801,28.759 74.837,28.759 76.995,26.601 76.995,25.966 v1(77.142,25.819) 77.337,26.014 77.337,26.511 79.733,28.907 U1_M6.6@79.733,29.257
POST_SENSE_M7: D1_M7.1 D2_M7.1 R3_M7.2 R6_M7.1 U1_M7.2 U1_M7.6 | length 9
  Bottom Layer w0.254: U1_M7.2@62.702,29.214 62.702,28.864 62.85,28.716 62.886,28.716 65.044,26.558 65.044,25.923 v1(65.191,25.776) 65.385,25.971 65.385,26.468 67.782,28.864 U1_M7.6@67.782,29.214
POST_SENSE_M8: D1_M8.1 D2_M8.1 R3_M8.2 R6_M8.1 U1_M8.2 U1_M8.6 | length 9
  Bottom Layer w0.254: U1_M8.2@50.891,24.515 50.891,24.165 51.039,24.017 51.075,24.017 53.233,21.859 53.233,21.224 v1(53.38,21.077) 53.574,21.272 53.574,21.769 55.971,24.165 U1_M8.6@55.971,24.515
POST_SENSE_M9: D1_M9.1 D2_M9.1 R3_M9.2 R6_M9.1 U1_M9.2 U1_M9.6 | length 9
  Bottom Layer w0.254: U1_M9.2@39.021,24.568 39.021,24.218 39.169,24.07 39.206,24.07 41.364,21.912 41.364,21.277 v1(41.51,21.13) 41.705,21.325 41.705,21.822 44.101,24.218 U1_M9.6@44.101,24.568
POST_SENSE_M10: D1_M10.1 D2_M10.1 R3_M10.2 R6_M10.1 U1_M10.2 U1_M10.6 | length 9
  Bottom Layer w0.254: U1_M10.2@27.337,29.394 27.337,29.044 27.485,28.896 27.522,28.896 29.68,26.738 29.68,26.103 v1(29.826,25.956) 30.021,26.151 30.021,26.648 32.417,29.044 U1_M10.6@32.417,29.394